# Altium PCB host_board.PcbDoc (part 2 of 8)
Units mm, origin at the board's own origin, x right, y up, seen from the top; angles counter-clockwise.
Board outline 87.41 x 55.77 mm, 4 copper layers (Top Layer, GND, Power, Bottom Layer), stack 1.59 mm thick; 232 components, 252 nets, 1101 pads, 689 vias.
Unrouted connection lines stored in the file: 17.
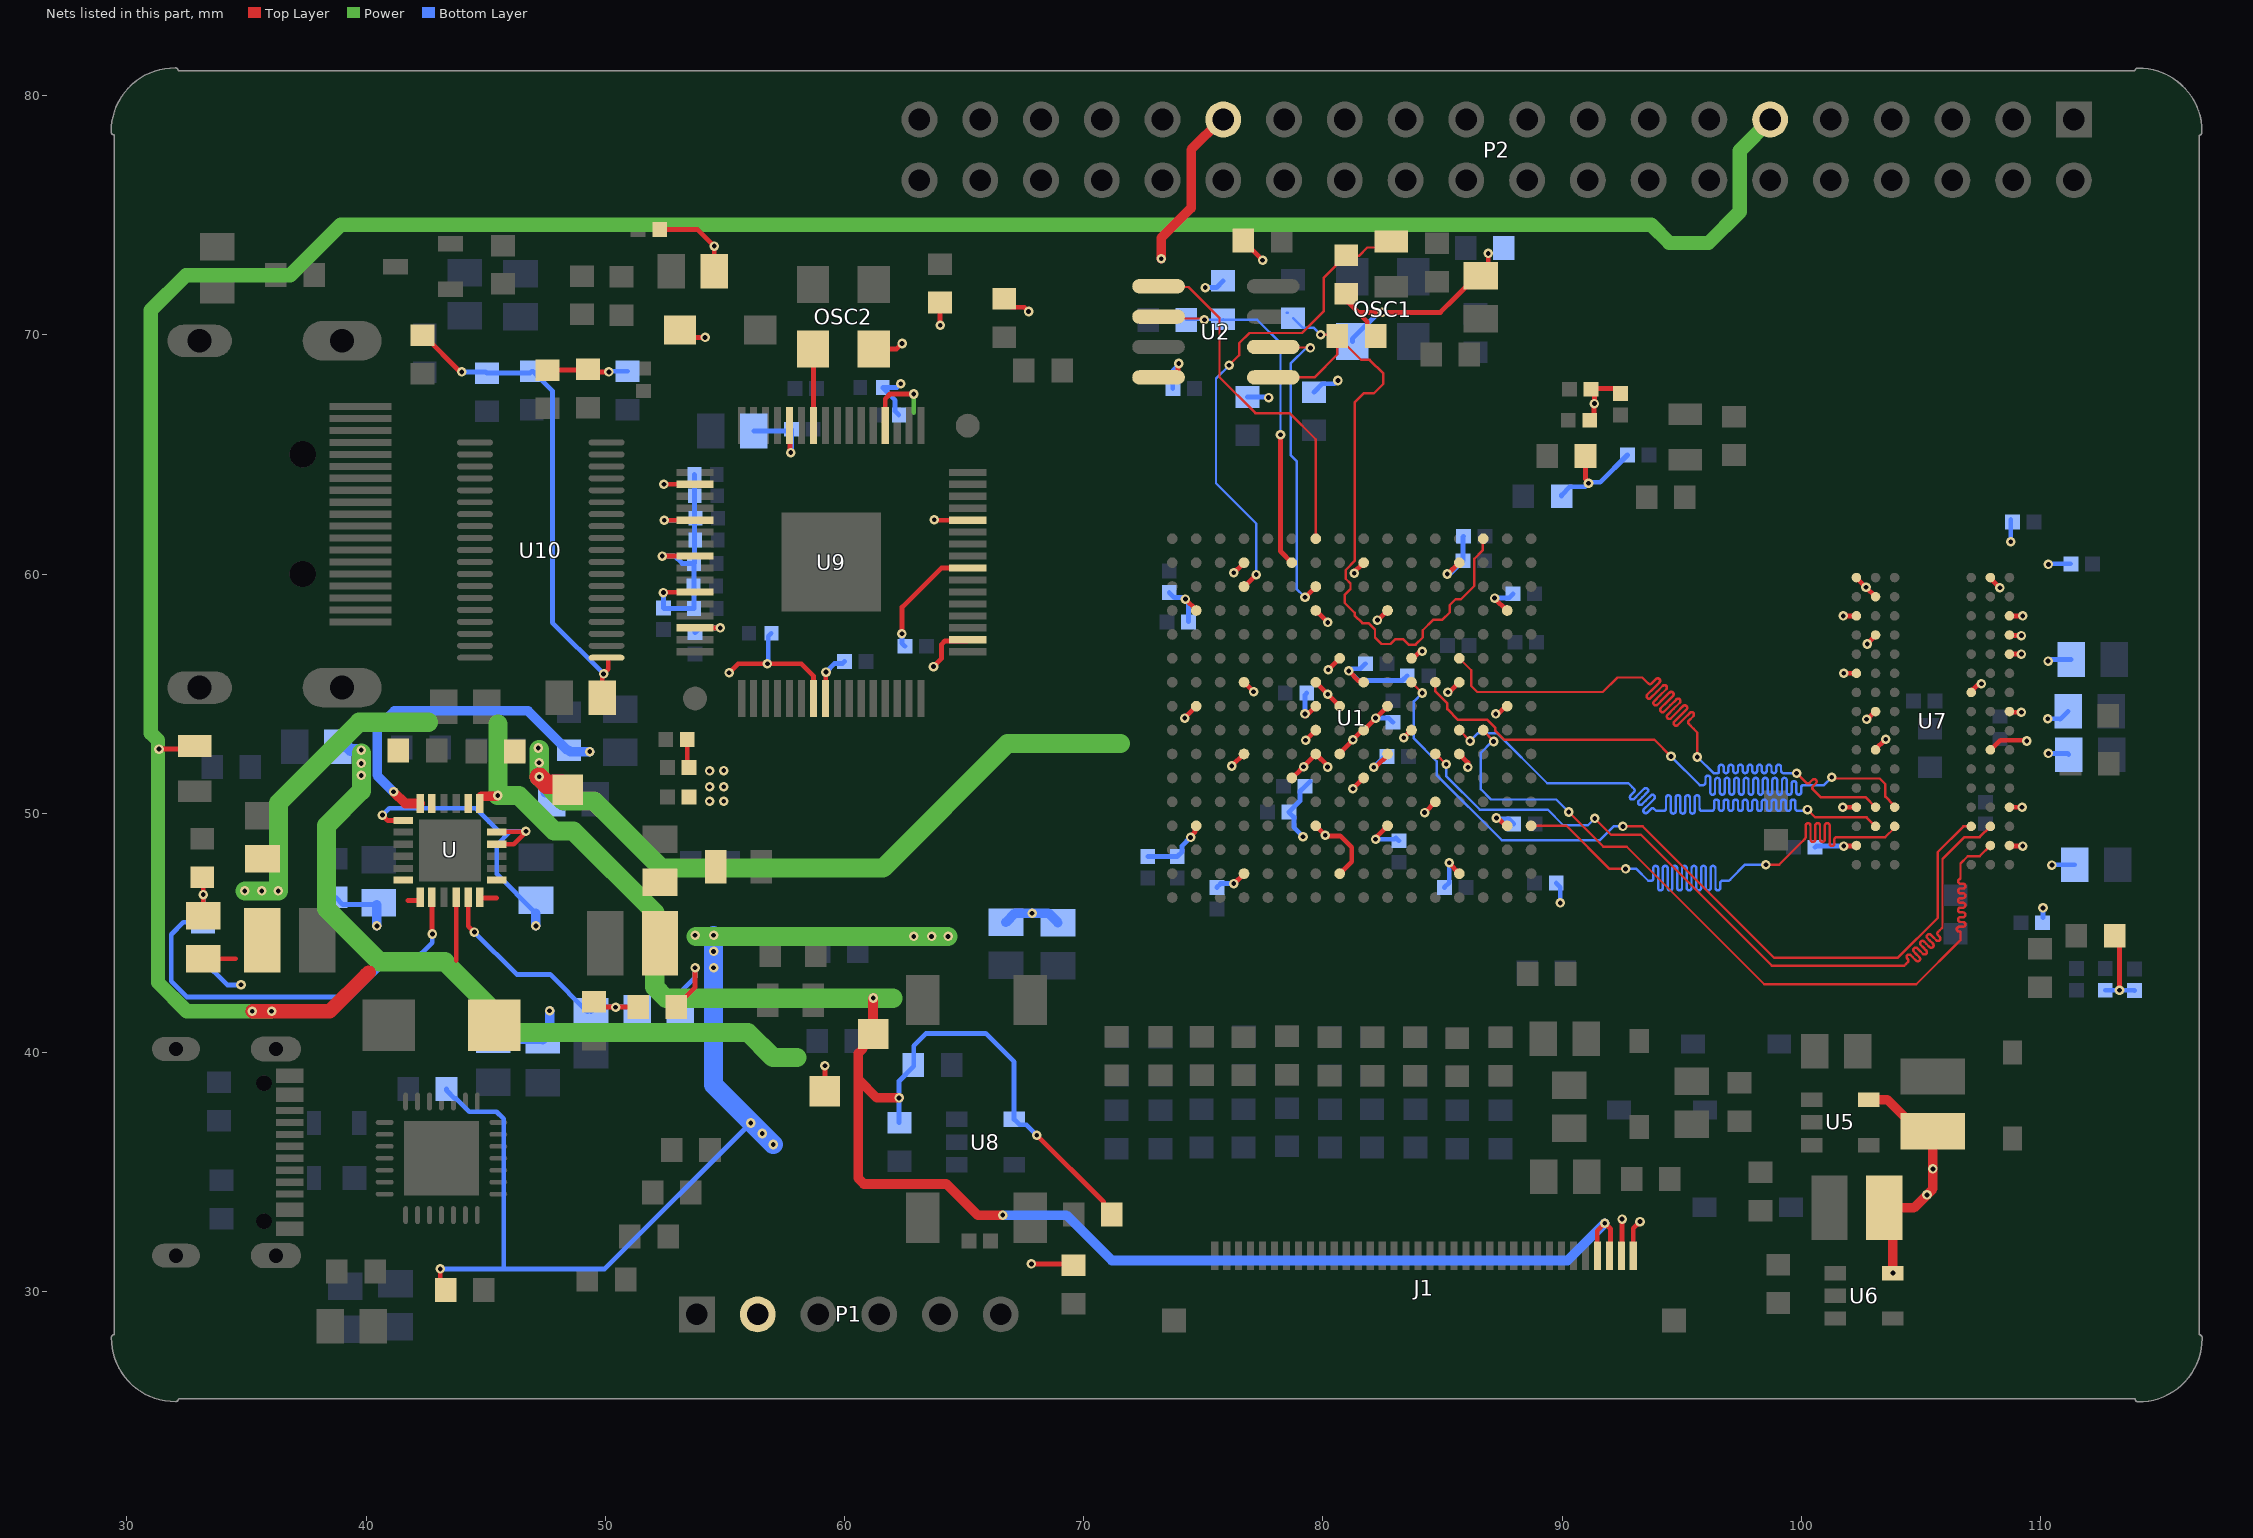
[diagram p4: the nets of this part, all layers, seen from the top]

## Footprints (in the part's own frame and the unit in brackets; to place one, negate y for a bottom-side part, rotate by r counter-clockwise, add the part's x,y. Pads: shape width x height; smd on the part's side, far side on the other; paste and mask are expansions set on the pad) (continued)
LED_OSRAM_LSR976 [mm] "Super Red Chip LED, 2-Leads, Body 2.0x1.25mm, IPC Medium Density"
  rect 0.9x1.4 smd: 1(-0.95,0) 2(0.95,0)
  silkscreen extent -2.02,-0.65 0,0.65, body extent -1.05,-0.67 1.05,0.68, height 0.9
MICT-HA-96 [mm] "BGA, 96-Balls, Body 14x9mm, Pitch 0.8mm"
  round 0.4 smd: A1(-3.2,6) A2(-2.4,6) A3(-1.6,6) A7(1.6,6) A8(2.4,6) A9(3.2,6) B1(-3.2,5.2) B2(-2.4,5.2) B3(-1.6,5.2) B7(1.6,5.2) B8(2.4,5.2) B9(3.2,5.2) C1(-3.2,4.4) C2(-2.4,4.4) C3(-1.6,4.4) C7(1.6,4.4) C8(2.4,4.4) C9(3.2,4.4) D1(-3.2,3.6) D2(-2.4,3.6) D3(-1.6,3.6) D7(1.6,3.6) D8(2.4,3.6) D9(3.2,3.6) E1(-3.2,2.8) E2(-2.4,2.8) E3(-1.6,2.8) E7(1.6,2.8) E8(2.4,2.8) E9(3.2,2.8) F1(-3.2,2) F2(-2.4,2) F3(-1.6,2) F7(1.6,2) F8(2.4,2) F9(3.2,2) G1(-3.2,1.2) G2(-2.4,1.2) G3(-1.6,1.2) G7(1.6,1.2) G8(2.4,1.2) G9(3.2,1.2) H1(-3.2,0.4) H2(-2.4,0.4) H3(-1.6,0.4) H7(1.6,0.4) H8(2.4,0.4) H9(3.2,0.4) J1(-3.2,-0.4) J2(-2.4,-0.4) J3(-1.6,-0.4) J7(1.6,-0.4) J8(2.4,-0.4) J9(3.2,-0.4) K1(-3.2,-1.2) K2(-2.4,-1.2) K3(-1.6,-1.2) K7(1.6,-1.2) K8(2.4,-1.2) K9(3.2,-1.2) L1(-3.2,-2) L2(-2.4,-2) L3(-1.6,-2) L7(1.6,-2) L8(2.4,-2) L9(3.2,-2) M1(-3.2,-2.8) M2(-2.4,-2.8) M3(-1.6,-2.8) M7(1.6,-2.8) M8(2.4,-2.8) M9(3.2,-2.8) N1(-3.2,-3.6) N2(-2.4,-3.6) N3(-1.6,-3.6) N7(1.6,-3.6) N8(2.4,-3.6) N9(3.2,-3.6) P1(-3.2,-4.4) P2(-2.4,-4.4) P3(-1.6,-4.4) P7(1.6,-4.4) P8(2.4,-4.4) P9(3.2,-4.4) R1(-3.2,-5.2) R2(-2.4,-5.2) R3(-1.6,-5.2) R7(1.6,-5.2) R8(2.4,-5.2) R9(3.2,-5.2) T1(-3.2,-6) T2(-2.4,-6) T3(-1.6,-6) T7(1.6,-6) T8(2.4,-6) T9(3.2,-6)
  silkscreen extent -5.27,-7 4.5,7, body extent -4.5,-7 4.5,7, height 0.1
MICT-MN-8_N [mm] "SOIC, 8-Leads, Body 5x4mm, Pitch 1.27mm, IPC Medium Density"
  oval 2.2x0.6 smd: 1(-2.4,1.905) 2(-2.4,0.635) 3(-2.4,-0.635) 4(-2.4,-1.905) 5(2.4,-1.905) 6(2.4,-0.635) 7(2.4,0.635) 8(2.4,1.905)
  silkscreen extent -2.53,-2.5 0.9,2.88, body extent -2,-2.5 2,2.5, height 0.1
MOLX-54104-3633 [mm] "FPC Connector, 36-Leads, Right Angle, Pitch 0.5 mm, Mated Height 2.0 mm, SMT"
  rect 0.3x1.2 smd: 1(-8.75,1.35) 2(-8.25,1.35) 3(-7.75,1.35) 4(-7.25,1.35) 5(-6.75,1.35) 6(-6.25,1.35) 7(-5.75,1.35) 8(-5.25,1.35) 9(-4.75,1.35) 10(-4.25,1.35) 11(-3.75,1.35) 12(-3.25,1.35) 13(-2.75,1.35) 14(-2.25,1.35) 15(-1.75,1.35) 16(-1.25,1.35) 17(-0.75,1.35) 18(-0.25,1.35) 19(0.25,1.35) 20(0.75,1.35) 21(1.25,1.35) 22(1.75,1.35) 23(2.25,1.35) 24(2.75,1.35) 25(3.25,1.35) 26(3.75,1.35) 27(4.25,1.35) 28(4.75,1.35) 29(5.25,1.35) 30(5.75,1.35) 31(6.25,1.35) 32(6.75,1.35) 33(7.25,1.35) 34(7.75,1.35) 35(8.25,1.35) 36(8.75,1.35)
  rect 1x1 smd mask+0: MP1(-10.45,-1.35) MP2(10.45,-1.35)
  Top Layer region: -9.65,-2.55 -9.65,-0.15 -11.25,-0.15 -11.25,-0.95 -12.05,-0.95 -12.05,-2.55
  Top Layer region: 9.65,-2.55 9.65,-0.15 11.25,-0.15 11.25,-0.95 12.05,-0.95 12.05,-2.55
  silkscreen extent -11.75,-5.5 11.75,2.62, body extent -11.75,-5.5 11.75,1.65, height 2.06
OSC_IQD_CFPS-69 [mm] "Oscillator, Side Concave, 2.54mm Pitch, 4 Pins, 3.20mm L X 5.00mm W X 1.00mm H, CFPS-69 Series"
  rect 1.55x1.35 smd: 1(-1.35,1.27) 2(-1.35,-1.27) 3(1.35,-1.27) 4(1.35,1.27)
  silkscreen extent -2.32,-2.5 1.6,2.67, body extent -1.7,-2.6 1.7,2.6, height 0.95
PB_TYCO_FSM6JSMA [mm] "Body 6mm x 6mm, Surface Mount Tactile Switches, TYCO FSM6JSMA Series"
  rect 1.4x2.1 smd: 1(-2.25,4.55) 2(-2.25,-4.55) 3(2.25,4.55) 4(2.25,-4.55)
  silkscreen extent -3,-3 3,3, body extent -3,-5 3,5, height 7.11
QFN400X400X80-25N [mil]
  rect 32x12 smd: 1(-77,49) 2(-77,30) 3(-77,10) 4(-77,-10) 5(-77,-30) 6(-77,-49) 13(77,-49) 14(77,-30) 15(77,-10) 16(77,10) 17(77,30) 18(77,49)
  rect 12x32 smd: 7(-49,-77) 8(-30,-77) 9(-10,-77) 10(10,-77) 11(30,-77) 12(49,-77) 19(49,77) 20(30,77) 21(10,77) 22(-10,77) 23(-30,77) 24(-49,77)
  rect 102x102 smd: 25(0,0)
  silkscreen extent -79,-79 79,79
QFP50P1200X1200X120-65N-S415 [mm] "QFP,0.50mm pitch,square;16 pin X 16 pin,10.00mm X 10.00mm X 1.20mm H body (w/thermal tab 4.15 X 4.15 mm), IPC Medium Density"
  rect 1.55x0.3 smd: 1(-5.7,3.75) 2(-5.7,3.25) 3(-5.7,2.75) 4(-5.7,2.25) 5(-5.7,1.75) 6(-5.7,1.25) 7(-5.7,0.75) 8(-5.7,0.25) 9(-5.7,-0.25) 10(-5.7,-0.75) 11(-5.7,-1.25) 12(-5.7,-1.75) 13(-5.7,-2.25) 14(-5.7,-2.75) 15(-5.7,-3.25) 16(-5.7,-3.75) 33(5.7,-3.75) 34(5.7,-3.25) 35(5.7,-2.75) 36(5.7,-2.25) 37(5.7,-1.75) 38(5.7,-1.25) 39(5.7,-0.75) 40(5.7,-0.25) 41(5.7,0.25) 42(5.7,0.75) 43(5.7,1.25) 44(5.7,1.75) 45(5.7,2.25) 46(5.7,2.75) 47(5.7,3.25) 48(5.7,3.75)
  rect 0.3x1.55 smd: 17(-3.75,-5.7) 18(-3.25,-5.7) 19(-2.75,-5.7) 20(-2.25,-5.7) 21(-1.75,-5.7) 22(-1.25,-5.7) 23(-0.75,-5.7) 24(-0.25,-5.7) 25(0.25,-5.7) 26(0.75,-5.7) 27(1.25,-5.7) 28(1.75,-5.7) 29(2.25,-5.7) 30(2.75,-5.7) 31(3.25,-5.7) 32(3.75,-5.7) 49(3.75,5.7) 50(3.25,5.7) 51(2.75,5.7) 52(2.25,5.7) 53(1.75,5.7) 54(1.25,5.7) 55(0.75,5.7) 56(0.25,5.7) 57(-0.25,5.7) 58(-0.75,5.7) 59(-1.25,5.7) 60(-1.75,5.7) 61(-2.25,5.7) 62(-2.75,5.7) 63(-3.25,5.7) 64(-3.75,5.7)
  rect 4.15x4.15 smd: 65(0,0)
  round 1 smd paste-0.51 mask+0.5: FTG1(-5.7,-5.7) FTG2(5.7,5.7)
  Top Layer keep-out circle w0.1: c5.7,5.7 r1
  Top Layer keep-out circle w0.1: c-5.7,-5.7 r1
  silkscreen extent -6.32,-4.55 4.55,4.55, body extent -6.1,-6.1 6.1,6.1, height 1.2
RESC1005X40N [mm] "Chip Resistor, EIA 0402, Metric 1005, Body 1.0x0.5mm, IPC Medium Density"
  rect 0.58x0.62 smd: 1(-0.47,0) 2(0.47,0)
  body extent -0.52,-0.27 0.53,0.28, height 0.4
RESC1608X55N [mm] "Chip Resistor, EIA 0603, Metric 1608, Body 1.6x0.8mm, IPC Medium Density"
  rect 0.9x1 smd: 1(-0.8,0) 2(0.8,0)
  body extent -0.87,-0.47 0.88,0.48, height 0.55
SLAB-QFN-28-3125x3125TP_A_L [mm] "QFN, 28-Leads, Body 5x5mm, Pitch 0.5mm, Thermal Pad 3.13x3.13mm, IPC High Density"
  oval 0.75x0.2 smd: 1(-2.375,1.5) 2(-2.375,1) 3(-2.375,0.5) 4(-2.375,0) 5(-2.375,-0.5) 6(-2.375,-1) 7(-2.375,-1.5) 15(2.375,-1.5) 16(2.375,-1) 17(2.375,-0.5) 18(2.375,0) 19(2.375,0.5) 20(2.375,1) 21(2.375,1.5)
  oval 0.2x0.75 smd: 8(-1.5,-2.375) 9(-1,-2.375) 10(-0.5,-2.375) 11(0,-2.375) 12(0.5,-2.375) 13(1,-2.375) 14(1.5,-2.375) 22(1.5,2.375) 23(1,2.375) 24(0.5,2.375) 25(0,2.375) 26(-0.5,2.375) 27(-1,2.375) 28(-1.5,2.375)
  rect 3.13x3.13 smd: 29(0,0)
  silkscreen extent -3.42,-2.65 2.65,2.65, body extent -2.5,-2.5 2.5,2.5, height 1
SOD3715X145N [mm] "SOD Diode (SOD-123); 2.70mm W X 1.55mm L X 1.45mm H body, IPC Medium Density"
  rect 1x0.8 smd: 1(-1.8,0) 2(1.8,0)
  silkscreen extent -2.18,-0.8 1.35,1.02, body extent -1.95,-0.85 1.95,0.85, height 1.45
SOT95P240X130-3N [mm] "SOT23 3-Leads, Pitch 0.95mm - Body 1.3x2.9mm, IPC Medium Density"
  rect 1.05x0.65 smd: 1(-1.15,0.95) 2(-1.15,-0.95) 3(1.15,0)
  silkscreen extent -1.53,-1.45 0.3,1.92, body extent -1.25,-1.5 1.25,1.5, height 1.3
SOT190P230X110-4N [mm] "SOT143, SOT, 1.90mm Pitch; 4 Pin, 1.30mm W X 2.90mm L X 1.10mm H body, IPC Medium Density"
  rect 1x1 smd: 1(-1.15,0.75)
  rect 1x0.6 smd: 2(-1.15,-0.95) 3(1.15,-0.95) 4(1.15,0.95)
  silkscreen extent -1.52,-1.45 0.33,1.88, body extent -1.25,-1.5 1.25,1.5, height 1.1
SOT-23-OT5_L [mm] "SOT23, 5-Leads, Body 2.9x1.6mm, Pitch 0.95mm, Lead Span 2.7mm, IPC High Density"
  rect 0.9x0.65 smd: 1(-1.2,0.95) 2(-1.2,0) 3(-1.2,-0.95) 4(1.2,-0.95) 5(1.2,0.95)
  silkscreen extent -1.32,-1.55 0.35,1.95, body extent -0.9,-1.55 0.9,1.55, height 1.45
TE_1827059-3 [mm]
  rect 0.3x2.6 smd: 1(4.5,5) 2(4,5) 3(3.5,5) 4(3,5) 5(2.5,5) 6(2,5) 7(1.5,5) 8(1,5) 9(0.5,5) 10(0,5) 11(-0.5,5) 12(-1,5) 13(-1.5,5) 14(-2,5) 15(-2.5,5) 16(-3,5) 17(-3.5,5) 18(-4,5) 19(-4.5,5)
  oval 1.65x3.3 hole 1 slot 2.5 at 90 deg: S1(7.25,4.24) S2(-7.25,4.24)
  oval 1.35x2.7 hole 1 slot 1.5 at 90 deg: S3(-7.25,-1.72) S4(7.25,-1.72)
  round 1.1 hole 1.1 unplated: ""(-2.5,2.59) ""(2.5,2.59)
  silkscreen extent -7.5,-6.31 7.5,5.86, body extent -7.5,-6.26 7.5,5.84, height 6.09
TI-DBV5_L [mm] "SOT23, 5-Leads, Body 2.9x1.6mm, Pitch 0.95mm, IPC High Density"
  rect 0.9x0.6 smd: 1(-1.2,0.95) 2(-1.2,0) 3(-1.2,-0.95) 4(1.2,-0.95) 5(1.2,0.95)
  silkscreen extent -1.32,-1.55 0.35,1.92, body extent -0.87,-1.52 0.87,1.53, height 1.45
TPS127 [mm] "1.27 x  1.27mm SMD Test Point Area"
  rect 1.27x1.27 smd paste-1.27: 1(0,0)
  silkscreen extent -0.94,-0.94 0.94,0.94

## Part data
C1 C2 C3 C5 C8 C9 C12 C13 C30 C31 C38 C39 C40 C41 C42 C43 C44 C45 C46 C47 C48 C49 C50 C51 C52 C53 C54 C55 C56 C57 C58 C59 C61 C66 C67 C68 C69 C70 C71 C72 C74 C75 C76 C77 C78 C80: library part CC0402_100NF_16V_10%_X5R, "Non-polarised capacitor", Case=0402, Manufacturer=GENERIC, Manufacturer1 ComponentHeight=0.55mm, Manufacturer1 Example=MURATA, Manufacturer1 Part Number=GRM155R61C104KA88D, Tolerance=±10%, Voltage=16V, Author="CERN DEM JLC", Component Type=Standard, CreateDate=10.12.2013, HelpURL=\\cern.ch\dfs\Applications\Altium\Datasheets\CC0402_X5R_MURATA_GRM.pdf, LatestRevisionDate=10.12.2013, Manufacturer Part Number=CC0402_100NF_16V_10%_X5R, Mounted=Yes, Part Description="SMD Multilayer Chip Ceramic Capacitor", Part Number=CC0402_100NF_16V_10%_X5R, Pin Count=2, Sense=No, SMD=Yes, Socket=No, Status=None, TC=X5R
C4 C6 C7 C10 C11 C14 C15 C16 C17 C18 C19 C20 C21 C22 C23 C24 C25 C26 C27 C28 C29 C32 C33 C34 C35 C36 C37 C60 C62 C63 C64 C65 C73 C79: library part CC0805_1.5NF_50V_5%_C0G, "Non-polarised capacitor", Case=0805, Manufacturer=GENERIC, Manufacturer1 ComponentHeight=1mm, Manufacturer1 Example=KEMET, Manufacturer1 Part Number=C0805C152J5GACTU, Tolerance=±5%, Voltage=50V, Author="CERN DEM BC", Component Type=Standard, CreateDate=18.11.2015, HelpURL="\\cern.ch\dfs\Applications\Altium\Datasheets\CC0805_C0G_KEMET_(Commercial Grade).pdf", LatestRevisionDate=18.11.2015, Manufacturer Part Number=CC0805_1.5NF_50V_5%_C0G, Mounted=Yes, Part Description="SMD Multilayer Chip Ceramic Capacitor", Part Number=CC0805_1.5NF_50V_5%_C0G, Pin Count=2, Sense=No, SMD=Yes, Socket=No, Status=Preferred, TC=C0G/NP0
D1: "Zener Diode", Case=SMB, Manufacturer="ON SEMICONDUCTOR", Power=3W, Voltage=4.7V, Author="CERN DEM MR", Bonding=No, Component Type=Standard, ComponentHeight=2.44mm, CreateDate=05.09.2016, Device=1SMB5917BT3G, HelpURL=\\cern.ch\dfs\Applications\Altium\Datasheets\1SMB5917BT3G.pdf, LatestRevisionDate=05.09.2016, Manufacturer Part Number=1SMB5917BT3G, Mounted=Yes, PackageDescription="DO-214-AA/SMB Diode, Molded Body; 5.40mm L X 3.62mm W X 2.44mm H, IPC Medium Density", Part Description="Plastic Surface Mount Zener Voltage Regulator Diode", Part Number=1SMB5917BT3G, Pin Count=2, PressFit=No, Sense=No, SMD=Yes, Socket=No
D2: "Ultra Low Capacitance Double Rail-to-Rail ESD Protection Diode", Case=SOT143B, Manufacturer="NXP SEMICONDUCTORS", Voltage=5.5V, Author="CERN DEM JLC", Bonding=No, Component Type=Standard, ComponentHeight=1.1mm, CreateDate=22.03.2011, Device=PRTR5V0U2X, HelpURL=\\cern.ch\dfs\Applications\Altium\Datasheets\PRTR5V0U2X.pdf, LatestRevisionDate=22.03.2011, Manufacturer Part Number=PRTR5V0U2X, Mounted=Yes, PackageDescription="SOT143B, SOT, 1.90mm Pitch; 4 Pin, 1.30mm W X 2.90mm L X 1.10mm H body, IPC Medium Density", Part Description="Ultra Low Capacitance (1pF) Double Rail-to-Rail ESD Protection Diode (8kV)", Part Number=PRTR5V0U2X, Pin Count=4, PressFit=No, Sense=No, SMD=Yes, Socket=No
D3 D4 D5 D6: "Zener Diode", Case=SOD123, Manufacturer="DIODES INCORPORATED", Power=0.5W, Voltage=5V6, Author="CERN DEM JLC", Bonding=No, ComponentHeight=1.45mm, Component Type=Standard, CreateDate=02.03.2015, Device=BZT52C5V6, HelpURL=\\cern.ch\dfs\Applications\Altium\Datasheets\BZT52C5V6.pdf, LatestRevisionDate=02.03.2015, Manufacturer Part Number=BZT52C5V6, Mounted=Yes, PackageDescription="SOD Diode (SOD123); 2.70mm W X 1.55mm L X 1.45mm H body, IPC Medium Density", Part Description="Surface Mount Zener Diode", Part Number=BZT52C5V6, Pin Count=2, PressFit=No, Sense=No, SMD=Yes, Socket=No
D7: "Zener Diode", Case=SOD123, Manufacturer="DIODES INCORPORATED", Power=500mW, Voltage=2V7, Author="CERN DEM JLC", Bonding=No, ComponentHeight=1.45mm, Component Type=Standard, CreateDate=02.03.2015, Device=BZT52C2V7, HelpURL=\\cern.ch\dfs\Applications\Altium\Datasheets\BZT52C2V7.pdf, LatestRevisionDate=02.03.2015, Manufacturer Part Number=BZT52C2V7, Mounted=Yes, PackageDescription="SOD Diode (SOD123); 2.70mm W X 1.55mm L X 1.45mm H body, IPC Medium Density", Part Description="Surface Mount Zener Diode", Part Number=BZT52C2V7, Pin Count=2, PressFit=No, Sense=No, SMD=Yes, Socket=No
J1: "0.5 mm Pitch Easy-On(TM) Type FPC Connector, 2.0 mm Mated Height, Right Angle, ZIF, SMT, Top Contact, 36 Circuits, -40 to 85 degC, ELV and RoHS Compliant, Tape and Reel", Current (Max per Contact)=0.5A, Manufacturer=Molex, Supplier Part Number 1=538-54104-3633, Voltage (Max)=50V, Circuits (Loaded)=36, ComponentLink1Description="Manufacturer URL", ComponentLink1URL=http://www.molex.com/molex/index.jsp, ComponentLink2Description=Datasheet, ComponentLink2URL=http://www.molex.com/webdocs/datasheets/pdf/en-us/0541043633_FFC_FPC_CONNECTORS.pdf, ComponentLink3Description="Package Specification", ComponentLink3URL=http://www.molex.com/pdm_docs/sd/541043633_sd.pdf, Contact Position=Top, Durability (mating cycles max)=20, Entry Angle="90degrees Angle", Mated Height=2.00mm, Material - Metal="Phosphor Bronze", Material - Plating Mating="Silver, Tin-Bismuth", Material - Plating Termination="Silver, Tin-Bismuth", Mounting Technology="Surface Mount", Number of Rows=1, Orientation="Right Angle", PackageDescription="36-Lead FPC Connector, Pitch 0.5 mm", PackageReference=54104-3633, PackageVersion="Rev. C, 04/2014", Packing="Tape and Reel", PartNumber=54104-3633, PCB Locator=No, PCB Retention=None, Pitch - Mating Interface=0.50mm, Pitch - Termination Interface=0.50mm, Polarized to PCB=Yes, RoHS=TRUE, Stackable=No, Supplier 1=Mouser
L1 L2 L3 L4: library part IND_22UH_10%_MURATA-PS_8200, "Inductor With Core", Manufacturer="MURATA POWER SOLUTIONS", Manufacturer Part Number=82223C, Power=320mA, Resistance=0.92R, Tolerance=±10%, Author="CERN DEM JMW", ComponentHeight=2.3mm, Component Type=Standard, CreateDate=07.10.2015, HelpURL=\\cern.ch\dfs\Applications\Altium\Datasheets\IND_MURATA-PS_8200.pdf, LatestRevisionDate=07.10.2015, Mounted=Yes, Part Description="Miniature Surface Mount Power Inductor (8200 Series)", Part Number=IND_22UH_10%_MURATA-PS_8200, Pin Count=2, Sense=No, SMD=Yes, Socket=No, Status=None
L5: library part IND1206_MURATA_BLM31PG500SN1, "Inductor", Case=1206, Manufacturer=MURATA, Manufacturer Part Number=BLM31PG500SN1, Power=3.5A, Resistance=0.015R, Author="CERN DEM JLC", Component Type=Standard, ComponentHeight=1.3mm, CreateDate=05.12.2013, HelpURL=\\cern.ch\dfs\Applications\Altium\Datasheets\IND1206_MURATA_BLM31P.pdf, LatestRevisionDate=05.12.2013, Mounted=Yes, Part Description="SMD EMIFIL Chip Ferrite Bead", Part Number=IND1206_MURATA_BLM31PG500SN1, Pin Count=2, Sense=No, SMD=Yes, Socket=No, Status=None
LD1 LD2 LD4 LD5 LD8 LD9: library part LED_OSRAM_LSR976, "LED Red 1C 2A", Case=0805, Manufacturer=OSRAM, Manufacturer Part Number=LSR976, Author="CERN DEM JLC", Bonding=No, Color="Super Red", ComponentHeight=0.9mm, Component Type=Standard, CreateDate=18.05.2010, HelpURL=\\cern.ch\dfs\Applications\Altium\Datasheets\LED_OSRAM_LSR976.pdf, LatestRevisionDate=18.05.2010, Mounted=Yes, PackageDescription="Super Red Chip LED, 2-Leads, Body 2 x1.25mm, IPC Medium Density", Part Description="Surface Mount Super Red LED (0805 Case)", Part Number=LED_OSRAM_LSR976, Pin Count=2, PressFit=No, Sense=No, SMD=Yes, Socket=No
OSC1 OSC2: library part OSC_50MHZ_IQD_LFSPXO009592, "Oscillator 4 pins 1=E 2=GND 3=OUT 4=+Vs", Manufacturer="IQD FREQUENCY PRODUCTS", Manufacturer Part Number=LFSPXO009592, Author="CERN DEM JLC", Bonding=No, ComponentHeight=0.95mm, Component Type=Standard, CreateDate=16.03.2010, HelpURL=\\cern.ch\dfs\Applications\Altium\Datasheets\OSC_IQD_LFSPXO009592.pdf, LatestRevisionDate=07.11.2016, Mounted=Yes, PackageDescription="Oscillator, Side Concave, 2.54mm Pitch, 4 Pins, 3.20mm L X 5.00mm W X 1.00mm H, CFPS-69 Series", Part Description="3.3V, ±50ppm,  -40..85°C, CMOS Surface Mount Clock Oscillator, Low Current (CFPS-69 Series)", Part Number=OSC_50MHZ_IQD_LFSPXO009592, Pin Count=4, PressFit=No, Sense=No, SMD=Yes, Socket=No
P1: "Header, 6-Pin", LatestRevisionDate=17-Jul-2002, LatestRevisionNote="Re-released for DXP Platform.", Publisher="Altium Limited"
P2: library part "Header 20X2", "Header, 20-Pin, Dual row", LatestRevisionDate=17-Jul-2002, LatestRevisionNote="Re-released for DXP Platform.", Publisher="Altium Limited"
P4: "EMBOSS PACKAGE HDMI CONN SMT NO-FLANGE T", Package=None, Availability=Unavailable, EU_RoHS_Compliance=Compliant, MF="TE Connectivity", MP=1827059-3, Price=None, SnapEDA_Link=https://www.snapeda.com/parts/1827059-3/TE%20Connectivity%20AMP%20Connectors/view-part/1316486/?ref=snap, TE_purchase_URL=https://www.te.com/usa-en/product-1827059-3.html?te_bu=Cor&te_type=disp&te_campaign=seda_glo_cor-seda-global-disp-prtnr-fy19-seda-model-bom-cta_sma-317_1&elqCampaignId=32493
PB1: library part PB_TYCO_FSM6JSMA, "Push-Button Switch SPDT", Manufacturer="TYCO ELECTRONICS", Manufacturer Part Number="FSM6JSMA or  4-1437565-9", Author="CERN DEM JLC", Component Type=Standard, ComponentHeight=7.11mm, CreateDate=21.06.2012, Family="Push Button", HelpURL=\\cern.ch\dfs\Applications\Altium\Datasheets\PB_TYCO_FSM6JSMA.pdf, LatestRevisionDate=21.06.2012, Mounted=Yes, PackageDescription="Body 6mm x 6mm, Surface Mount Tactile Switches, TYCO ALCOSWITCH FSMJSMA Series", Part Description="12VDC 50mA SPST Tactile  Push-Button Switch", Part Number=PB_TYCO_FSM6JSMA, Pin Count=4, PressFit=No, Sense=No, SMD=Yes, Socket=No, Status=None
R1_Designator1 R1_Designator2 R1_Designator3 R1_Designator4 R1_Designator5 R2_Designator1 R2_Designator2 R2_Designator3 R2_Designator4 R2_Designator5 R3_Designator1 R3_Designator2 R3_Designator3 R3_Designator4 R3_Designator5 R4_Designator1 R4_Designator2 R4_Designator3 R4_Designator4 R4_Designator5 R5_Designator1 R5_Designator2 R5_Designator3 R5_Designator4 R5_Designator5 R6_Designator1 R6_Designator2 R6_Designator3 R6_Designator4 R6_Designator5 R7 R8 R9 R10 R11 R13 R14 R15 R16 R17 R18 R19 R20 R21 R22 R23 R24 R25 R26 R27 R28 R29 R30 R31 R32 R33 R34 R35 R36 R37 R38 R39 R40 R41 R42 R43 R44 R45 R46 R47 R48 R49 R50 R51 R52 R53 R54 R55 R56 R57 R58 R59 R61 R62 R65 R66 R70 R74 R75 R76 R77 R78 R81 R82 R83 R84 R85 R86 R87 R90: library part R0603_100K_1%_0.1W_100PPM, "Resistor - 1%", Case=0603, Manufacturer=GENERIC, Manufacturer1 ComponentHeight=0.55mm, Manufacturer1 Example="NIC COMPONENT", Manufacturer1 Part Number=NRC06F1003TRF, Power=0.1W, Tolerance=±1%, Author="CERN DEM JLC", Component Type=Standard, CreateDate=03.12.2007, HelpURL=\\cern.ch\dfs\Applications\Altium\Datasheets\R0603_NIC_NRC.pdf, LatestRevisionDate=13.03.2008, Manufacturer Part Number=R0603_100K_1%_0.1W_100PPM, Mounted=Yes, Part Description="General Purpose Thick Film Chip Resistor", Part Number=R0603_100K_1%_0.1W_100PPM, Pin Count=2, PressFit=No, Sense=No, SMD=Yes, Socket=No, Status=Preferred, TC=±100ppm/°C
R12: library part R0402_100R_1%_0.0625W_100PPM, "Resistor - 1%", Case=0402, Manufacturer=GENERIC, Manufacturer1 ComponentHeight=0.4mm, Manufacturer1 Example="YAGEO PHYCOMP", Manufacturer1 Part Number=232270671001L, Power=0.0625W, Tolerance=±1%, Author="CERN DEM JLC", Component Type=Standard, CreateDate=03.12.2007, HelpURL=\\cern.ch\dfs\Applications\Altium\Datasheets\R0402_Phycomp_RC0402.pdf, LatestRevisionDate=17.10.2012, Manufacturer Part Number=R0402_100R_1%_0.0625W_100PPM, Mounted=Yes, Part Description="General Purpose Thick Film Chip Resistor", Part Number=R0402_100R_1%_0.0625W_100PPM, Pin Count=2, PressFit=No, Sense=No, SMD=Yes, Socket=No, Status="Not Recommended", TC=±100ppm/°C
R60 R63 R64: library part R0402_10K_1%_0.0625W_100PPM, "Resistor - 1%", Case=0402, Manufacturer=GENERIC, Manufacturer1 ComponentHeight=0.4mm, Manufacturer1 Example="YAGEO PHYCOMP", Manufacturer1 Part Number=232270671003L, Power=0.0625W, Tolerance=±1%, Author="CERN DEM JLC", Component Type=Standard, CreateDate=03.12.2007, HelpURL=\\cern.ch\dfs\Applications\Altium\Datasheets\R0402_Phycomp_RC0402.pdf, LatestRevisionDate=17.10.2012, Manufacturer Part Number=R0402_10K_1%_0.0625W_100PPM, Mounted=Yes, Part Description="General Purpose Thick Film Chip Resistor", Part Number=R0402_10K_1%_0.0625W_100PPM, Pin Count=2, PressFit=No, Sense=No, SMD=Yes, Socket=No, Status="Not Recommended", TC=±100ppm/°C
R67 R68 R69 R71 R72 R73 R88 R89: library part R0402_51K_1%_0.0625W_100PPM, "Resistor - 1%", Case=0402, Manufacturer=GENERIC, Manufacturer1 ComponentHeight=0.4mm, Manufacturer1 Example="YAGEO PHYCOMP", Manufacturer1 Part Number=232270674703L, Power=0.0625W, Tolerance=±1%, Author="CERN DEM JLC", Component Type=Standard, CreateDate=03.12.2007, HelpURL=\\cern.ch\dfs\Applications\Altium\Datasheets\R0402_Phycomp_RC0402.pdf, LatestRevisionDate=17.10.2012, Manufacturer Part Number=R0402_51K_1%_0.0625W_100PPM, Mounted=Yes, Part Description="General Purpose Thick Film Chip Resistor", Part Number=R0402_51K_1%_0.0625W_100PPM, Pin Count=2, PressFit=No, Sense=No, SMD=Yes, Socket=No, Status="Not Recommended", TC=±100ppm/°C
T1: "N-CHANNEL MOSFET WITH DIODE", Case=SOT23-3, Manufacturer="FAIRCHILD SEMICONDUCTOR", Author="CERN DEM JLC", Bonding=No, ComponentHeight=1.3mm, Component Type=Standard, CreateDate=20.08.2008, Device=2N7002, HelpURL=\\cern.ch\dfs\Applications\Altium\Datasheets\2N7002.pdf, LatestRevisionDate=07.04.2009, Manufacturer Part Number=2N7002, Mounted=Yes, PackageDescription="SOT23 3-Leads, Pitch 0.95mm - Body 1.3x2.9mm, IPC Medium Density", Part Description="60V 280mA N-Channel Enhancement Mode Field Effect Transistor (FET)", Part Number=2N7002, Pin Count=3, PressFit=No, Sense=No, SMD=Yes, Socket=No
TP1 TP2 TP3: library part SMD_PAD_1.27X1.27MM, Author="CERN DEM JLC", Component Type="Standard (No BOM)", ComponentHeight=0mm, CreateDate=12.01.2008, Family="Test Point", HelpURL=Undefined, LatestRevisionDate=12.01.2008, Mounted=No, PackageDescription="1.27mm x 1.27mm PCB Copper Area (SMD Test Point)", Part Description="1.27mm x 1.27mm PCB Copper Area (SMD Test Point)", Part Number=SMD_PAD_1.27X1.27MM, Pin Count=1, Sense=No, SMD=Yes, Socket=No, Status=None
U: "PMIC - Voltage Regulators - Linear + Switching 4 Output Step-Down _Buck_ Synchronous _2_, Linear _LDO_ _2_ 2MHz 24-WQFN _4x4_", Package="WQFN-24 Texas Instruments", Availability=Unavailable, MF="Texas Instruments", MP=LM26480SQ-AA, Price=None, SnapEDA_Link=https://www.snapeda.com/parts/LM26480SQ-AA/Texas%20Instruments/view-part/28484/?ref=snap
U1: "Spartan-6 LX 1.2V FPGA, 186 User I/Os, 256-Ball Fine-Pitch Thin BGA (1.0mm Pitch), Speed Grade 2, Commercial Grade, Pb-Free", Code_JEDEC=MS-034-AAF-1*, ComponentLink1Description="Manufacturer URL", ComponentLink1URL=http://www.xilinx.com/, ComponentLink2Description="Spartan-6 Datasheet", ComponentLink2URL=http://www.xilinx.com/support/documentation/data_sheets/ds160.pdf, ComponentLink3Description="Spartan-6 Documents", ComponentLink3URL=http://www.xilinx.com/support/documentation/spartan-6.htm, DatasheetVersion="ver1.6, Nov-2010", PackageDescription="256-Ball Fine Pitch Thin Ball Grid Array 1.00 mm Pitch (FTG256) - Pb-Free", PackageReference=FTG256, PackageVersion="ver1.3, Oct-2007"
U2: "8 Mb (x1) Serial NOR Flash Memory, 75 MHz, 2.7 to 3.6 V, 8-pin SO8 Narrow (MN), Tube", Manufacturer=Micron, Package="SO8 Narrow", Voltage=2.7V-3.6V, Applications=Embedded, ComponentLink1Description="Manufacturer URL", ComponentLink1URL=http://www.micron.com/, ComponentLink2Description=Datasheet, ComponentLink2URL=http://www.micron.com/~/media/Documents/Products/Data%20Sheet/NOR%20Flash/Serial%20NOR/M25P/M25P80.pdf, ComponentLink3Description="Package Specification", ComponentLink3URL=http://www.micron.com/~/media/Documents/Products/Data%20Sheet/NOR%20Flash/Serial%20NOR/M25P/M25P05A.pdf, DatasheetVersion="Rev. Y", Density=8Mb, Mounting Technology="Surface Mount", PackageDescription="8-Pin SO Narrow, 3.9 X 4.9 mm, Pitch 1.27 mm", PackageReference=MICT-MN-8, PackageVersion="Rev 11", Part Family=M25P, PartNumber=M25P80-VMN6P, Part Status=Production, RoHS=Yes, Speed="75 MHz", Type="Data Storage", Width=x1
U4: "Single-Chip USB to UART Bridge, 1024 Bytes EEPROM, -40 to 85 degC, 28-pin QFN, Tube", Manufacturer="Silicon Labs", Supplier Part Number 1=336-1164-ND, ComponentLink1Description="Manufacturer URL", ComponentLink1URL=http://www.silabs.com/, ComponentLink2Description=Datasheet, ComponentLink2URL=http://www.silabs.com/Support%20Documents/TechnicalDocs/CP2103.pdf, ComponentLink3Description="Package Specification", ComponentLink3URL=http://www.silabs.com/Support%20Documents/TechnicalDocs/C8051F35x.pdf, DatasheetVersion="Rev. 1.0", EEPROM="1024 Bytes", Internal Oscillator=TRUE, Mounting Technology="Surface Mount", PackageDescription="28-Pin Quad-Flat No-Leads Package, Body 5 x 5 mm, Pitch 0.5 mm", PackageReference=QFN-28, PartNumber=CP2103-GM, Sub-Family="USB Bridges", Supplier 1=Digi-Key, Supplier 2=Farnell, Supplier 3=Newark, Supplier 4=Mouser, Supplier Part Number 2=1291538, Supplier Part Number 3=24M1109, Supplier Part Number 4=634-CP2103-GM
U5 U6: "28 V, 400 mA Switch Boost Converter for White LED Applications, 1.8 to 6 V, -40 to 85 degC, 5-pin SOT23 (DBV5), Green (RoHS & no Sb/Br)", Manufacturer="Texas Instruments", Rating=Catalog, Supplier Part Number 1=296-12685-2-ND, Switching Frequency(Max)(kHz)=1000, Code_JEDEC=MO-178, ComponentLink1Description="Manufacturer URL", ComponentLink1URL=http://www.ti.com/, ComponentLink2Description=Datasheet, ComponentLink2URL=http://www.ti.com/general/docs/lit/getliterature.tsp?genericPartNumber=TPS61040&fileType=pdf, ComponentLink3Description="Package Specification", ComponentLink3URL=http://www.ti.com/litv/pdf/mpds018i, DatasheetVersion=SLVS413F, Dimming=TRUE, Eco-Plan="Green (RoHS & no Sb/Br)", Iout(Max)(A)=0.09, Iq(Typ)(mA)=0.028, Mounting Technology="Surface Mount", PackageDescription="5-Pin Plastic Small Outline, Body 1.60 Г— 2.90 mm, Pitch 0.95 mm", PackageReference=DBV5, PackageVersion=4073253-4/K, PartNumber=TPS61040DBVR, SubFamily="White LED Driver", Supplier 1=Digi-Key, Supplier 2=Digi-Key, Supplier 3=Digi-Key, Supplier 4=Farnell, Supplier 5=Farnell, Supplier 6=Newark, Supplier 7=Mouser, Supplier Part Number 2=296-12685-1-ND, Supplier Part Number 3=296-12685-6-ND, Supplier Part Number 4=1461061, Supplier Part Number 5=1461061RL, Supplier Part Number 6=35K1326, Supplier Part Number 7=595-TPS61040DBVR, Topology=Boost, Vin(Max)(V)=6, Vin(Min)(V)=1.8
U7: "4Gb DDR3-1600 SDRAM, 256Mb x 16, 1.25ns, 1.5V, 0 to 95 degC, 96-Ball FBGA, Pb-Free", Manufacturer=Micron, Op. Temp.="0C to +95C", Package=FBGA, Voltage=1.5V, CL="CL = 11", Clock Rate="800 MHz", ComponentLink1Description="Manufacturer URL", ComponentLink1URL=http://www.micron.com/, ComponentLink2Description=Datasheet, ComponentLink2URL=http://www.micron.com/~/media/Documents/Products/Data%20Sheet/DRAM/4Gb_DDR3_SDRAM.pdf, ComponentLink3Description="Package Specification", ComponentLink3URL=http://www.micron.com/~/media/Documents/Products/Data%20Sheet/DRAM/4Gb_1_35V_DDR3L.pdf, Cycle Time=1.25ns, Data Rate=DDR3-1600, DatasheetVersion=Rev.J, Density=4Gb, Depth=256Mb, Mounting Technology="Surface Mount", PackageDescription="96-Ball Fine-Pitch Ball Grid Array, 14 x 9 mm, Pitch 0.8 mm", PackageReference=MICT-HA-96, PackageVersion=Rev.E, PartNumber=MT41J256M16HA-125, Pin Count=96-ball, RoHS=Yes, Width=x16
U8: "2Kbit, 400kHz, 1.7V, I2C Serial EEPROM, 5-Pin SOT-23, Industrial Temperature, Tape and Reel", Manufacturer=Microchip, Supplier Part Number 1=24AA02HT-I/OT-ND, Code_IPC=SOT23-5, ComponentLink1Description="Manufacturer URL", ComponentLink1URL=http://www.microchip.com/, ComponentLink2Description=Datasheet, ComponentLink2URL=http://ww1.microchip.com/downloads/en/DeviceDoc/22105A.pdf, ComponentLink3Description="Package Specification", ComponentLink3URL=http://www.microchip.com/stellent/groups/techpub_sg/documents/packagingspec/en012702.pdf, DatasheetVersion="revA, Sep-2008", Mounting Technology="Surface Mount", PackageDescription="5-Lead Plastic Small Outline Transistor (OT) [SOT-23]", PackageReference=SOT-23-OT5, PackageVersion="revBB, Aug-2009", PartNumber=24AA02HT-I/OT, Supplier 1=Digi-Key, Supplier 2=Mouser, Supplier Part Number 2=579-24AA02HT-I/OT
U9: "Low Power 165 MHz HDMI Receiver"
U10: "HDMI Receiver Port Protection and Interface Device, 12 Channels, -40 to +85 degC, 38-pin TSSOP (DBT), Green (RoHS & no Sb/Br)", Breakdown Voltage(Min)(V)=9, Differential Capacitance(pF)=0.05, IO Capacitance(Typ)(pF)=0.9, Manufacturer="Texas Instruments", Supplier Part Number 1=296-23617-2-ND, Code_JEDEC=MO-153, ComponentLink1Description=Datasheet, ComponentLink1URL=http://www.ti.com/general/docs/lit/getliterature.tsp?genericPartNumber=TPD12S520&fileType=pdf, ComponentLink2Description="URL Link1", ComponentLink2URL=SamplesURL:http://www.ti.com/product/tpd12s520#samples, DatasheetVersion=SLVS640C, Eco-Plan="Green (RoHS & no Sb/Br)", IEC 61000-4-2 Contact(+/- kV)=8, IO Leakage Current(nA)=0.05, Mounting Technology="Surface Mount", PackageDescription="38-Pin Plastic Small Outline 0.5 mm Pitch", PackageReference=DBT38, PackageVersion="revI, Mar-2011", PartNumber=TPD12S520DBTR, SubFamily="ESD Solution", Supplier 1=Digi-Key, Supplier 2=Digi-Key, Supplier 3=Digi-Key, Supplier 4=Newark, Supplier 5=Mouser, Supplier Part Number 2=296-23617-1-ND, Supplier Part Number 3=296-23617-6-ND, Supplier Part Number 4=85M0176, Supplier Part Number 5=595-TPD12S520DBTR
U15: "USB-C _USB TYPE-C_ USB 2.0 Receptacle Connector 24 _16+8 Dummy_ Position Surface Mount, Right Angle; Through Hole", Package=None, Availability=Unavailable, MF=GCT, MP=USB4105-GF-A, Price=None, SnapEDA_Link=https://www.snapeda.com/parts/USB4105-GF-A/Global%20Connector%20Technology/view-part/4423780/?ref=snap

## Via types
v1: diameter 0.4, hole 0.2, Top Layer to Bottom Layer, tented both sides, 664 vias
v2: diameter 0.5, hole 0.2, Top Layer to Bottom Layer, 9 vias
v3: diameter 0.4, hole 0.2, Top Layer to Bottom Layer, 7 vias
v4: diameter 0.4/0.4/0.4/0.4 (per signal layer), hole 0.2, Top Layer to Bottom Layer, tented both sides, 5 vias
v5: diameter 3, hole 3, Top Layer to Bottom Layer, tented both sides, 4 vias

## Nets (pads, with @x,y where several pads share a name; then routed paths per layer and width w, separated by ;. In a path a pad name is that pad's centre, name@x,y a point inside that pad or via, vN(x,y) a via of type N, cw(c..) or ccw(c..) an arc to the next point about the centre after c; other vN are vias at no path point)
1V2: C4.2 C9.2 C49.2 C51.2 C52.2 R18.1 TP3.1 U1.G7 U1.G9 U1.H8 U1.H10 U1.J7 U1.J9 U1.K8 U1.K10 U.20 | length 43.6
  Top Layer w0.2: v1(79.275,53.05) U1.H10@79.7,53.475 ; U1.K10@79.7,55.475 U1.J9@80.7,54.475 ; U1.G9@80.7,52.475 80.7,52.5 81.25,53.05 v1(81.25,53.075) 81.65,53.475 U1.H8@81.7,53.475 U1.J7@82.7,54.475 ; v1(81.075,55.95) 81.502,55.523 81.652,55.523 U1.K8@81.7,55.475 ; v1@82.25,51.975 82.7,52.425 U1.G7@82.7,52.475
  Top Layer w0.8: v1(47.237,51.52) 47.547,51.21 48.195,51.21 TP3.1@48.43,50.975
  Power w0.2: v1@80.188,54.963 v1(80.2,54.975)
  Power w0.8: v1@47.237,52.66 v1(47.237,51.52) 48.247,50.51 49.533,50.51 52.333,47.71 61.613,47.71 66.822,52.919 71.533,52.919
  Bottom Layer w0.2: C4.2@47.295,51.065 47.493,50.867 C4.2@47.77,50.59 ; C51.2@81.775,56.25 81.565,56.04 81.219,56.04 81.129,55.95 v1(81.075,55.95) 81.475,55.55 83.325,55.55 C49.2@83.525,55.75 ; v1(82.125,51.925) 82.575,52.375 C9.2@82.675,52.375 ; v1(82.2,53.975) 82.75,53.975 C52.2@82.925,53.8
  Bottom Layer w0.4: v1(47.237,51.52) 47.493,51.52 C4.2@47.493,50.867
  other v1: 47.23,52.112 47.2,52.725
1V5: C6.2 C7.2 C10.2 C11.2 C13.2 C31.2 C39.2 C50.2 C54.2 C56.2 C57.2 C58.2 C59.2 C79.2 R7.2 R20.1 TP2.1 U1.D2 U1.G4 U1.J2 U1.K4 U1.N2 U7.A1 U7.A8 U7.B2 U7.C1 U7.C9 U7.D2 U7.D9 U7.E9 U7.F1 U7.G7 U7.H2 U7.H9 U7.K2 U7.K8 U7.N1 U7.N9 U7.R1 U7.R9 U.23 | length 59.4
  Top Layer w0.2: TP2.1@59.1,38.46 59.18,38.54 v1(59.18,39.44) ; v1(85.225,55.059) 85.284,55.059 U1.K4@85.7,55.475 ; U1.G4@85.7,52.475 86.058,52.117 v1(86.058,51.925) ; v1(87.175,58.991) 87.175,58.975 87.675,58.475 U1.N2@87.7,58.475 ; v1(87.225,54.15) 87.263,54.188 87.358,54.188 87.645,54.475 U1.J2@87.7,54.475 ; v1(87.25,49.8) 87.308,49.8 87.633,49.475 U1.D2@87.7,49.475 ; v1(101.725,50.25) U7.N1@102.3,50.25 ; v1(101.75,58.25) U7.C1@102.3,58.25 ; v1(101.775,48.625) 102.275,48.625 U7.R1@102.3,48.65 ; v1(101.775,55.85) U7.F1@102.3,55.85 ; U7.A1@102.3,59.85 v1(102.7,59.45) U7.B2@103.1,59.05 ; v1(102.725,53.925) 102.75,53.925 103.075,54.25 U7.H2@103.1,54.25 ; v1@102.75,57.088 103.087,57.425 103.1,57.425 U7.D2@103.1,57.45 ; U7.K2@103.1,52.65 103.075,52.65 103.52,53.095 v1(103.53,53.095) ; U7.G7@107.1,55.05 107.1,55.092 107.378,55.37 107.487,55.37 v1(107.525,55.409) ; U7.K8@107.9,52.65 107.92,52.65 108.32,53.05 109.39,53.05 v1(109.42,53.02) ; U7.A8@107.9,59.85 107.9,59.825 v1(108.3,59.425) ; U7.R9@108.7,48.65 108.725,48.625 v1@109.225,48.625 ; U7.N9@108.7,50.25 v1@109.2,50.25 ; U7.H9@108.7,54.25 108.725,54.225 v1(109.2,54.225) ; U7.E9@108.7,56.65 v1(109.2,56.65) ; U7.D9@108.7,57.45 108.725,57.425 v1(109.2,57.425) ; U7.C9@108.7,58.25 v1(109.25,58.25) ; R7.2@113.1,44.877 113.3,44.677 v1(113.3,42.6)
  Top Layer w0.8: TP2.1@59.1,38.46 TP2.1@59.18,38.38
  Power w0.2: v1@87.2,54.175 v1(87.225,54.15)
  Power w0.8: v1@39.8,52.52 v1(39.8,52.08) v1(39.8,51.579) 39.8,50.94 38.34,49.48 38.34,46.01 40.56,43.79 43.29,43.79 46.24,40.84 55.96,40.84 57.01,39.79 58,39.79
  Bottom Layer w0.2: C79.2@38.82,52.775 C79.2@39.02,52.975 ; v1(87.175,58.991) 87.766,58.991 C56.2@87.95,59.175 ; v1(87.25,49.8) 87.304,49.8 87.344,49.76 87.765,49.76 C58.2@87.975,49.55 ; C50.2@89.75,47.08 89.924,46.906 v3(89.924,46.252) ; C54.2@100.575,48.575 100.625,48.625 v1(101.775,48.625) ; v1(108.75,61.35) C13.2@108.75,62.275 ; C59.2@110.1,45.641 v1(110.1,46.041) ; v1(110.312,56.362) 110.375,56.425 C10.2@111.275,56.425 ; v1(110.325,52.5) 111.125,52.5 C11.2@111.175,52.45 ; v1(110.325,60.4) 110.35,60.425 C57.2@111.25,60.425 ; v1@110.37,53.945 110.793,53.945 110.812,53.925 C7.2@111.15,54.263 ; v1@110.45,47.85 C6.2@111.425,47.85 ; C39.2@112.7,42.602 113.913,42.602 C31.2@113.925,42.59
  Bottom Layer w0.5: C79.2@39.02,52.975 39.354,52.64 v1(39.8,52.64)
  other v1: 110.475,47.83 109.25,48.625 109.225,50.25 110.3,53.945 102.75,57.075
1V8: C3.2 C20.2 C22.2 C27.2 C38.2 C41.2 C66.2 C67.2 C68.2 C69.2 C70.2 C71.2 J1.33 J1.34 L1.2 L5.2 R23.2 R47.2 R48.2 R76.2 TP1.1 U1.B4 U1.B9 U1.B13 U1.D7 U1.D10 U8.4 U9.2 U9.14 U9.24 U9.40 U9.52 U9.60 U.19 | length 136.2